# KiCad board frankenso.kicad_pcb (continued)
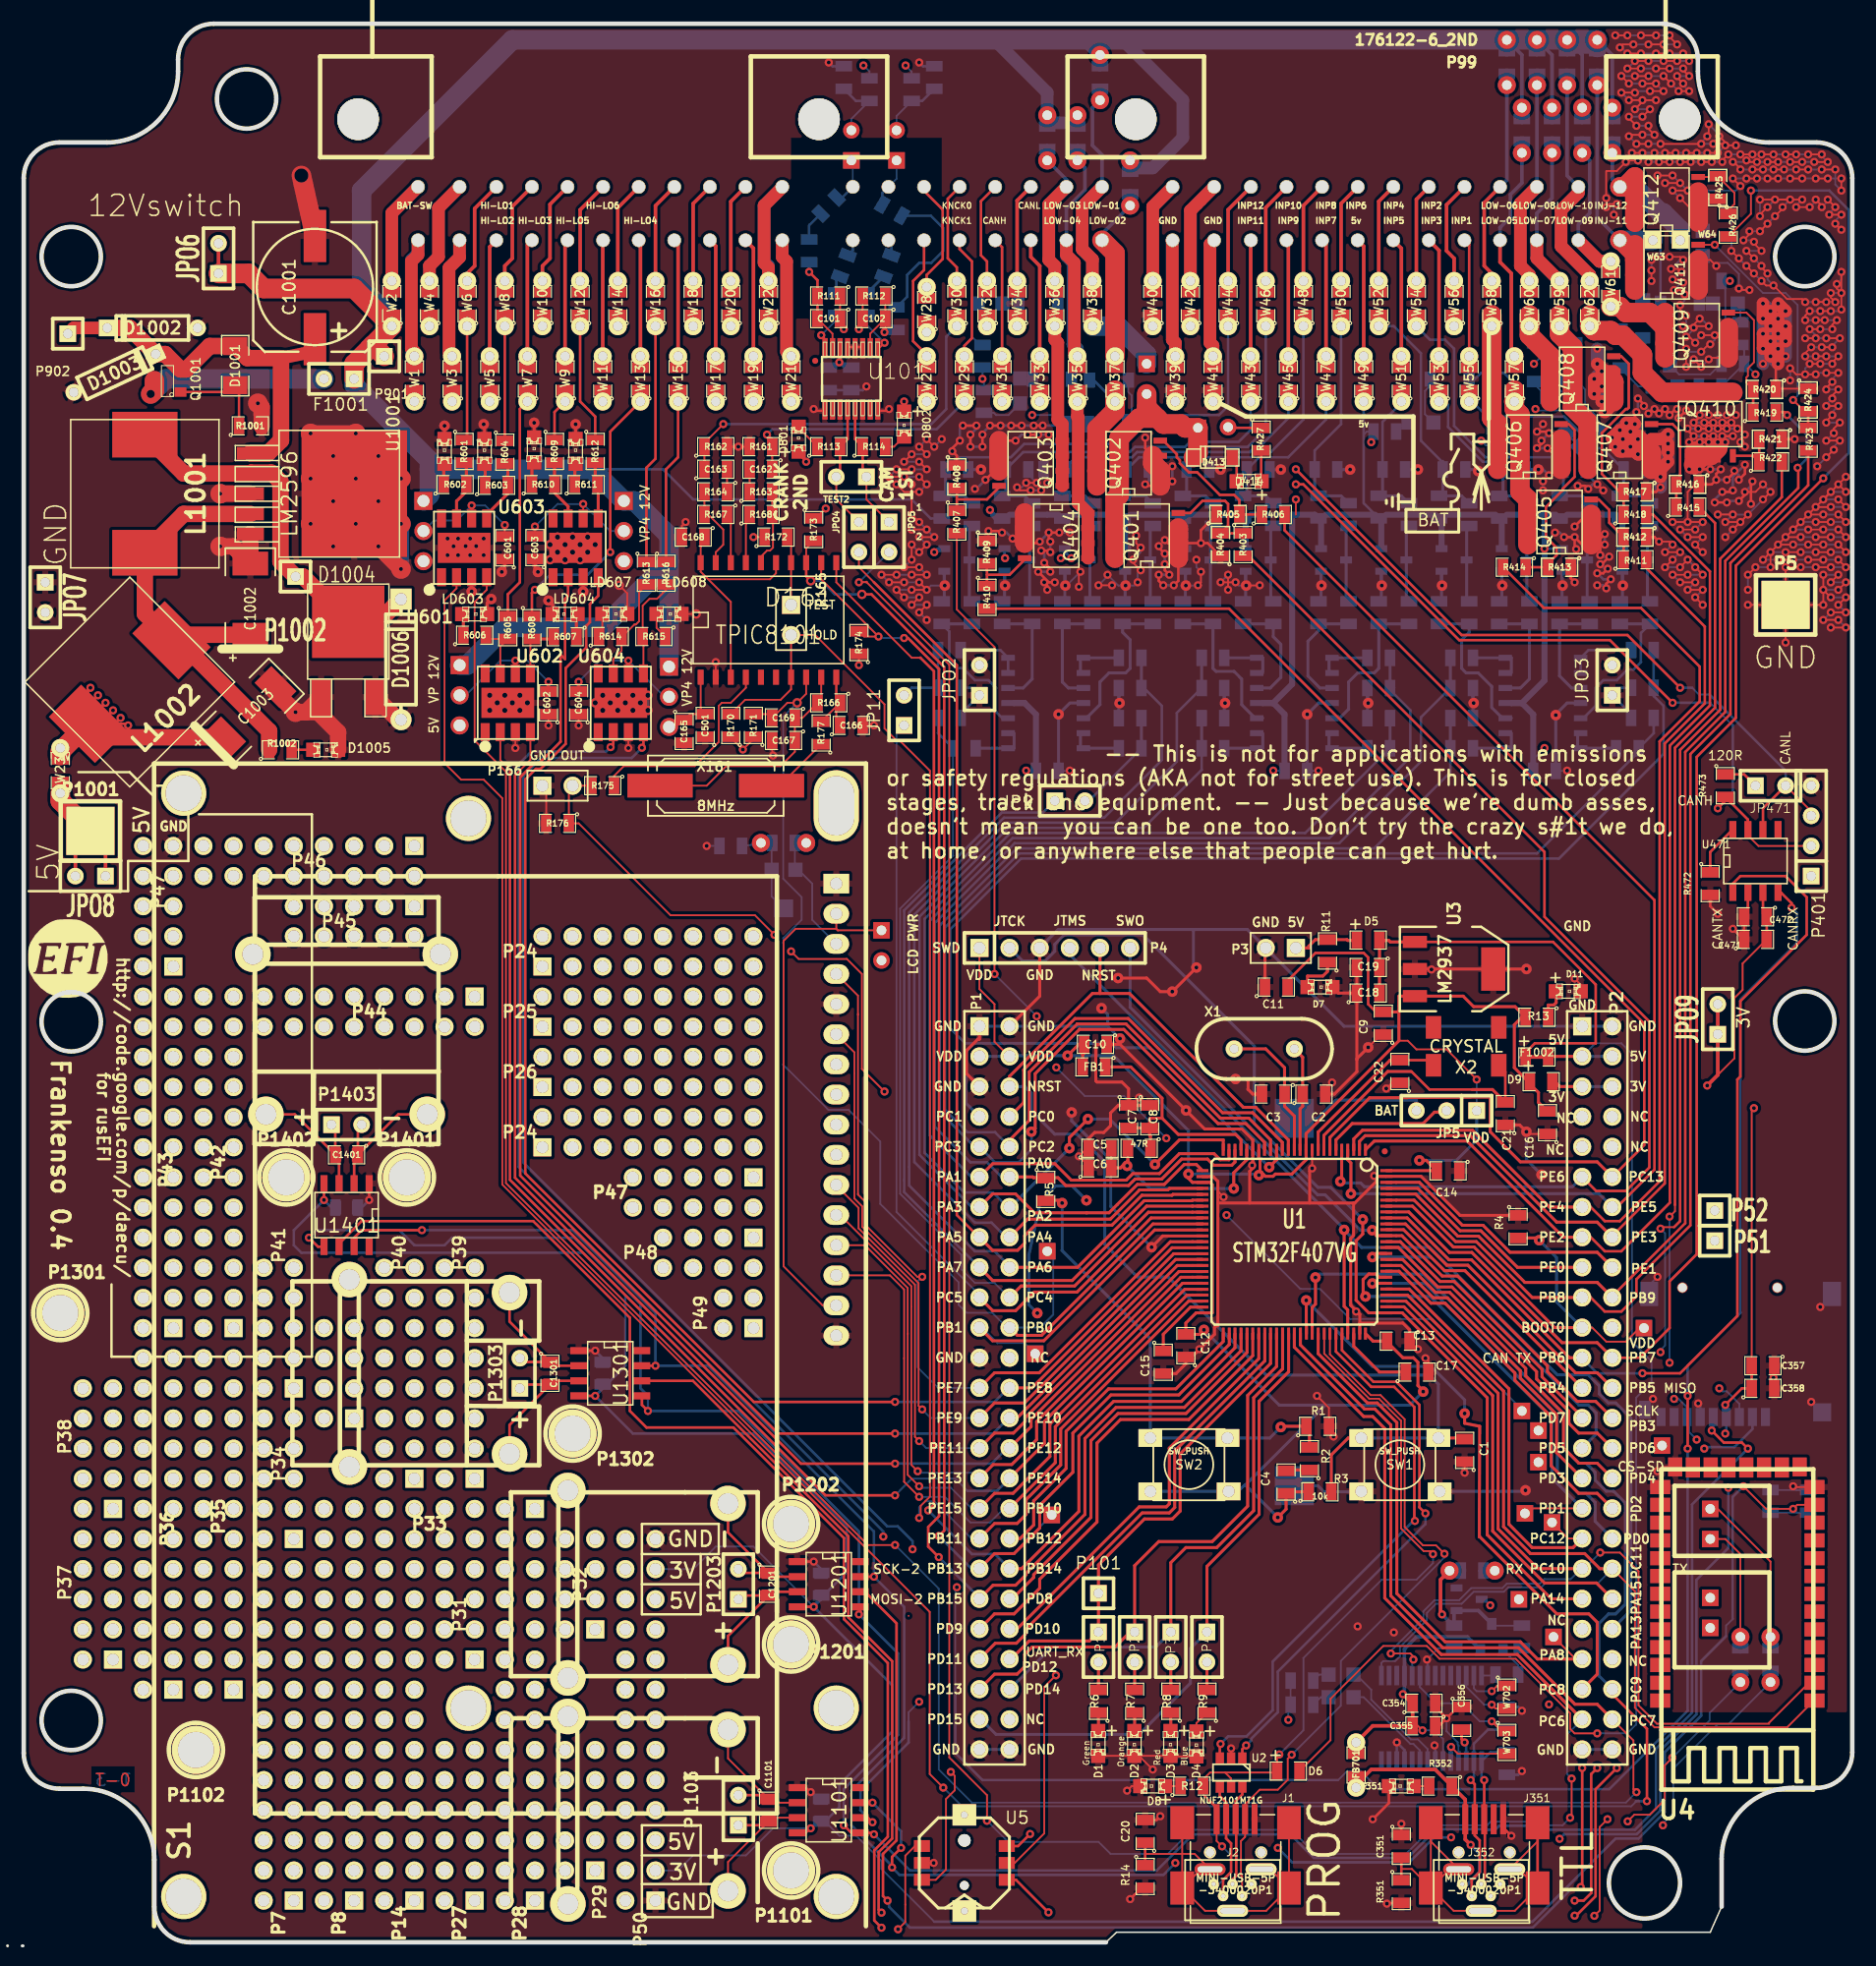
[diagram p0: board, top side]
## Routing (per net, layer and track width the routed paths; a pad name or vN(x,y) marks a point on that pad's centre or on a via; arc(x,y) is an arc through that point) (continued)
(no net): length 16
  Top w0.152: 107.22,120.35 v2(107.22,121.62)
  Bottom w0.254: v1(89.57,62.54) 88.36,63.75 86.96,63.75 85.69,62.48 84.72,57.91 84.72,53.74 v1(85.43,53.03)
/adc_amp_divider/INP1: length 21.5
  Top w0.152: W55.1 W55.1
  Bottom w0.216: R211.1 133.05,125.94 132.49,125.94 129.83,128.61 123.35,128.61 122.08,129.88 W55.1
  Bottom w0.254: R212.1 136.43,121.92 R210.1 134.84,122.24 R211.1
/adc_amp_divider/INP2: length 28.1
  Top w0.152: W54.1 W54.1
  Bottom w0.216: W54.1 118.52,135.08 119.79,135.08 120.56,134.32 120.56,127.82 123.2,125.18 128.94,125.18 129.76,124.35 R221.1
  Bottom w0.254: R222.1 131.35,121.92 R220.1 129.76,122.24 R221.1 129.76,124.84
/adc_amp_divider/INP3: length 15
  Top w0.152: W53.1 W53.1
  Bottom w0.152: W53.1 119.54,129.62 120.05,129.62
  Bottom w0.216: R231.1 124.03,124.8 122.97,124.8 120.05,127.72 120.05,129.62
  Bottom w0.254: R232.1 126.27,121.92 R230.1 124.68,122.24 R231.1
/adc_amp_divider/INP4: length 21.9
  Top w0.152: W52.1 W52.1
  Bottom w0.216: W52.1 115.48,136.23 117.76,133.94 117.76,126.58 119.6,124.73 R241.1
  Bottom w0.254: 119.6,124.84 R241.1 119.6,122.24 119.29,121.92 121.19,121.92 R242.1
/adc_amp_divider/INP5: length 12.5
  Top w0.152: W51.1 W51.1
  Bottom w0.216: W51.1 116.11,129.75 114.52,128.16 R251.1
  Bottom w0.254: 116.75,121.29 116.11,121.92 114.21,121.92 114.52,122.24 R251.1
/adc_amp_divider/INP6: length 19.7
  Top w0.152: W50.1 W50.1
  Bottom w0.216: W50.1 111.03,127.97 108.81,125.75 R261.1
  Bottom w0.254: 108.81,124.71 R261.1 108.81,122.24 109.13,121.92 111.03,121.92 111.67,121.29
/adc_amp_divider/INP7: length 16
  Top w0.152: W47.1 W47.1
  Bottom w0.216: R271.1 104.13,125.18 106.59,125.18 109.76,128.35 W47.1
  Bottom w0.254: 105.32,121.29 104.68,121.92 R270.1 103.09,122.24 R271.1
/adc_amp_divider/INP8: length 25.7
  Top w0.152: W48.1 W48.1
  Bottom w0.216: W48.1 107.86,128.35 105.11,125.61 103.95,125.61 103.52,125.18 98.84,125.18 98.01,124.35 R281.1
  Bottom w0.254: R282.1 99.6,121.92 R280.1 98.01,122.24 R281.1
/adc_amp_divider/INP9: length 23
  Top w0.152: W45.1 W45.1
  Bottom w0.216: W45.1 106.59,128.48 104.15,126.04 103.77,126.04 103.34,125.61 98.66,125.61 98.23,125.18 94.01,125.18 92.98,124.14 R291.1
  Bottom w0.254: R292.1 94.52,121.92 R290.1 92.93,122.24 R291.1
/adc_amp_divider/INP10: length 33.1
  Top w0.152: W46.1 W46.1
  Bottom w0.216: W46.1 104.68,127.56 103.16,126.04 98.48,126.04 98.05,125.61 93.83,125.61 93.4,125.18 88.68,125.18 87.85,124.35 87.85,124.14
  Bottom w0.254: R302.1 89.44,121.92 R300.1 87.85,122.24 87.85,124.14
/adc_amp_divider/INP11: length 31.1
  Top w0.152: W43.1 W43.1
  Bottom w0.216: R311.1 84.24,125.61 93.22,125.61 93.66,126.04 97.87,126.04 98.3,126.47 102.4,126.47 103.41,127.49 W43.1
  Bottom w0.254: 82.77,124.71 R311.1 82.77,122.24 R310.1 84.36,121.92 R312.1
/adc_amp_divider/INP12: length 39.3
  Top w0.152: W44.1 W44.1
  Bottom w0.216: R321.1 78.73,125.18 83.2,125.18 84.32,126.3 92.87,126.3 95.31,128.73 100.74,128.73 101.51,129.5 W44.1
  Bottom w0.254: 77.69,124.59 R321.1 77.69,122.24 R320.1 79.28,121.92 R322.1
/adc_amp_divider/OUT1: length 124
  Top w0.254: P1.10 83.09,67.62 84.74,69.28 84.74,73.36 88.79,77.41 92.91,77.41 100.85,69.47 103.26,69.47 105.09,67.64 U1.17
  Bottom w0.216: P1.10 81.86,68.28 79.54,68.28 77.66,70.16 77.66,85.56 83.88,91.78 127.54,91.78 136.11,100.35 R214.2 137.38,101.92 R215.1
/adc_amp_divider/OUT2: length 124.1
  Top w0.254: v1(104.98,65.34) 105.6,65.96 U1.16
  Bottom w0.216: R224.2 R225.1 137.38,105.05 138.21,104.22 138.21,100.16 129.4,91.35 84.06,91.35 78.09,85.38 78.09,77.05 79.36,75.77 80.1,75.77
  Bottom w0.254: v1(104.98,65.34) 94.92,75.4 92.08,75.4 91.71,75.77 80.1,75.77 79.41,75.09 79.41,70.73 P1.7
/adc_amp_divider/OUT3: length 103.5
  Top w0.254: U1.23 102.09,65.77 101.83,65.5 100.29,65.5 99.78,66.02 97.59,66.02 95.91,64.34 93.67,64.34 93.12,63.79 87.83,63.79 87.17,64.45 85.11,64.45 85.05,64.51 P1.12
  Bottom w0.216: R235.1 117.76,103.25 117.76,99.52 110.88,92.64 83.52,92.64 76.79,85.91 76.79,68.74 79.79,65.74 81.19,65.74 82.42,64.51 P1.12
  Bottom w0.254: 119.92,105.73 R235.1 R234.2
/adc_amp_divider/OUT4: length 110.9
  Top w0.254: v1(84.93,68.32) 85.25,68.58 85.25,73.22 88.98,76.95 92.72,76.95 100.66,69.01 103,69.01 104.58,67.43 U1.18
  Bottom w0.216: v1(84.93,68.32) 84.93,66.82 83.85,65.74 81.86,65.74 P1.9 80.15,67.05 77.22,69.98 77.22,85.73 83.7,92.21 113.83,92.21 120.24,98.62 R244.2
  Bottom w0.254: 120.24,100.33 R244.2 R245.1
/adc_amp_divider/OUT5: length 101.7
  Top w0.254: v1(89.7,69.39) 88.13,67.83 v1(88.13,66.94) ; U1.25 101.1,67.64 97.41,67.64 v1(95.34,65.57)
  Bottom w0.216: R254.2 108.02,93.5 83.16,93.5 75.93,86.27 75.93,66.56 79.28,63.2 81.69,63.2 82.92,61.97 P1.14
  Bottom w0.254: v1(95.34,65.57) 91.52,69.39 v1(89.7,69.39) ; R255.1 R254.2 115.48,100.65 ; v1(88.13,66.94) 83.17,61.97 P1.14
/adc_amp_divider/OUT6: length 103.4
  Top w0.254: P1.11 81.67,65.63 86.91,65.63 88.29,64.25 92.93,64.25 93.48,64.79 95.72,64.79 97.4,66.48 100.32,66.48 100.84,65.96 101.58,65.96 U1.24
  Bottom w0.216: P1.11 79.88,64.51 76.36,68.03 76.36,86.09 83.34,93.07 110.04,93.07 116.87,99.91 116.87,103.84 115.16,105.56 R265.1
  Bottom w0.254: 115.48,105.73 R265.1 R264.2
/adc_amp_divider/OUT7: length 86.9
  Top w0.254: P1.16 84.62,60.96 91.59,60.96 94.05,63.42 94.05,63.42 96.44,63.42 96.57,63.55 U1.29
  Bottom w0.216: R275.1 97.19,103.63 97.19,99.52 92.03,94.37 82.8,94.37 75.06,86.63 75.06,65.77 80.17,60.66 81.57,60.66 82.8,59.43 P1.16
  Bottom w0.254: 98.97,105.73 R275.1 R274.2
/adc_amp_divider/OUT8: length 82.1
  Top w0.254: 89.57,61.49 85.19,61.49 83.59,63.08 81.66,63.08 P1.13 ; 89.57,61.49 89.63,61.49 ; 89.57,61.49 91.47,61.49 93.86,63.88 96.13,63.88 97.81,65.56 98.83,65.56 U1.26
  Bottom w0.216: P1.13 79.9,61.97 75.5,66.38 75.5,86.45 82.98,93.94 94.39,93.94 99.28,98.83 R284.2
  Bottom w0.254: R284.2 R285.1
/adc_amp_divider/OUT9: length 71.1
  Top w0.254: U1.32 98.51,62.05 94.64,62.05 88.37,55.78 81.66,55.78 P1.17
  Bottom w0.216: P1.17 74.2,63.24 74.2,86.99 82.45,95.23 85.91,95.23 JP9.1
/adc_amp_divider/OUT10: length 89.1
  Top w0.254: U1.31 98.51,62.56 98.46,62.51 94.44,62.51 88.82,56.89 P1.18
  Bottom w0.216: 74.63,65.36 74.63,86.81 82.63,94.8 91.07,94.8 95.92,99.65 95.92,104.22 94.41,105.73 R305.1 ; 74.63,65.36 74.63,65.35 ; 74.63,65.36 74.63,63.79 80.17,58.25 81.82,58.25 83.09,56.98 P1.18
  Bottom w0.254: R304.2 R305.1
/adc_amp_divider/OUT11: length 73.9
  Top w0.254: P1.19 81.66,53.24 83.61,53.24 85.17,54.81 88.78,54.81 89.14,55.17 95.02,61.06 U1.34
  Bottom w0.152: JP11.1 73.56,101.93 73.56,61.56 80.55,54.57 P1.19
/adc_amp_divider/OUT12: length 75.3
  Top w0.254: P1.20 84.06,55.32 88.57,55.32 94.79,61.54 U1.33
  Bottom w0.152: R324.2 78.33,91.59 73.86,87.13 73.86,63.1 79.03,57.94 79.03,56.73 80.17,55.58 81.82,55.58 83.05,54.35 P1.20
  Bottom w0.216: R324.2 77.06,101.92 R325.1
/can_brd_1/CAN_RX: length 194
  Top w0.216: v2(149,87.21) 149,87.59 148.12,88.48 U471.4 ; v2(140.24,46.06) v2(140.24,41.61)
  Top w0.254: P1.36 83.98,34.03 85.12,35.18 85.12,37.21 87.86,39.94 87.86,43.08 91.43,46.65 97.1,46.65 101.1,50.64 U1.51
  PWR w0.152: P1.36 81.82,32.76 81.82,31.2 80.93,30.31 79.03,30.31 v2(78.65,29.93)
  Bottom w0.152: P15.1 84.66,34.03 P1.36 ; 110.78,13.67 111.54,14.43 112.68,14.43 114.21,12.91 ; v2(78.65,29.93) 78.52,29.8 78.52,21.42
  Bottom w0.216: v2(149,87.21) 149.45,86.76 149.45,84.22 144.69,79.46 144.69,53.04 140.24,48.6 v2(140.24,46.06) ; 78.52,21.42 78.52,15.96 80.81,13.67 110.78,13.67 ; 114.21,12.91 133.64,12.91 140.24,19.51 v2(140.24,41.61)
/can_brd_1/CAN_TX: length 82.7
  Top w0.216: v2(136.43,47.96) 139.61,47.96 144.43,52.79 144.43,72.73 144.69,72.98 144.69,79.33 150.27,84.92 150.27,88.09 148.5,89.87 144.69,89.87 144.05,89.24 U471.1
  Top w0.254: U1.92 116.6,61.06 120.13,57.53 122.02,57.53 130.28,49.27 131.35,49.27
  Bottom w0.216: v2(136.43,47.96) 132.62,47.96 131.35,49.23 131.35,49.27
/can_brd_1/CANH: length 89.2
  Top w0.152: P401.2 146.21,92.41 145.32,93.3 U471.7 ; W33.1 W33.1
  Top w0.216: v2(142.78,95.59) 143.42,96.22 R473.2 145.32,94.64 U471.7 ; v2(138.97,104.48) 133.69,109.76 120.99,109.76 107.86,122.89 v2(107.22,122.89)
  PWR w0.216: v2(107.22,122.89) 105.32,122.89 104.05,124.16 103.61,124.16 102.34,125.43 90.08,125.43 W33.1
  Bottom w0.152: 144.05,102.57 142.15,104.48
  Bottom w0.216: v2(142.78,95.59) 144.05,96.86 144.05,102.6 ; 142.15,104.48 v2(138.97,104.48)
/can_brd_1/CANL: length 93.4
  Top w0.152: JP471.2 150.66,95.33 P401.3 ; W34.1 W34.1
  Top w0.216: JP471.2 146.59,95.59 U471.6 ; v2(139.61,105.75) 135.16,110.19 121.19,110.19 v2(107.22,124.16)
  PWR w0.216: v2(107.22,124.16) 105.32,126.07 90.08,126.07 87.54,128.61 87.54,133.69 85,136.23 W34.1
  Bottom w0.152: 140.62,105.75 141.19,105.18 142.08,105.18
  Bottom w0.216: 142.08,105.18 148.5,98.76 JP471.2 ; 140.62,105.75 v2(139.61,105.75)
/cps_vrs_io_1/CAM+: length 1.4
  Bottom w0.216: P99.24 73.13,143.22 R104.1
/cps_vrs_io_1/CAM-: length 4.2
  Bottom w0.152: P99.32 73.57,148.65 73.57,150.2
  Bottom w0.216: P99.32 72.36,147.45 R106.1
/cps_vrs_io_1/CRK2+: length 1.4
  Bottom w0.216: R103.1 69.88,142.64 P99.23
/cps_vrs_io_1/CRK2-: length 4
  Bottom w0.152: 69.76,150.2 69.88,150.07 P99.31
  Bottom w0.216: P99.31 68.97,147.06 R102.1
/DD_HIP9011/CS: length 101.6
  Top w0.152: R171.2 62.77,103.53 C169.2 64.36,104.48 v3(65.18,104.48) 65.95,105.24 D161.8
  Top w0.254: P1.22 83.75,51.16 85.79,51.16 86.44,51.81 95.18,60.55 U1.35
  Bottom w0.152: P12.1 86.77,57.74 86.77,52.92 85.67,51.81 P1.22 82.87,51.81 81.62,53.07 79.46,53.07 78.8,53.73 78.8,55.63 72.19,62.23 72.19,67.5 69.53,70.16 67.83,70.16 64.02,73.97 64.02,84.64 65.57,86.19 65.57,88.09 64.02,89.64 64.02,103.31 v3(65.18,104.48)
/DD_HIP9011/INT/HLD: length 128.6
  Top w0.152: v2(75.47,35.77) 75.6,35.9 75.6,36.79 76.38,37.57 76.38,98.74 73.82,101.3 73.57,101.3 72.55,102.32 72.55,104.35 66.71,110.19 P165.2 D161.7 64.68,105.62 63.79,104.73 60.8,104.73 R170.2
  Top w0.254: P1.35 81.82,35.3 83.73,35.3 84.49,36.07 84.49,37.32 87.4,40.24 87.4,43.27 98.18,54.05 U1.48
  Bottom w0.152: v2(75.47,35.77) 75.47,36.66 75.98,37.17 76.74,37.17 79.88,34.03 P1.35
/DD_HIP9011/INTOUT: length 17.7
  Top w0.152: R175.1 49.75,98.32 50.58,99.14 56.55,99.14 58.58,101.18 58.58,104.22 58.83,104.48 59.6,104.48 60.87,105.75 D161.4
/DD_HIP9011/KNOCK0: length 32.1
  Top w0.152: v2(58.96,127.97) 57.37,126.39 R162.1 C163.1 ; W30.1 W30.1
  Bottom w0.216: W30.1 77.76,135.34 77.76,129.24 76.49,127.97 v2(58.96,127.97)
/DD_HIP9011/KNOCK1: length 21.9
  Top w0.152: W29.1 W29.1 ; R161.1 C162.1
  Top w0.216: v2(62.64,127.08) 63.09,126.64 R161.1
  Bottom w0.216: v2(62.64,127.08) 63.1,127.54 76.94,127.54 W29.1
/DD_HIP9011/OUT: length 90
  Top w0.152: v2(72.55,71.71) 70.65,73.62 70.65,81.62 69.38,82.89 65.31,82.89 v2(64.68,83.52) ; v2(63.28,84.92) 61.63,86.57 54.52,86.57 46.77,94.32 R176.1 45.94,97.18 P166.2 R175.2
  Top w0.216: P1.8 83.05,69.59
  Top w0.254: U1.15 106.08,67.43 103.58,69.93 101.04,69.93 93.1,77.87 88.6,77.87 84.28,73.54 84.28,70.78 P1.8
  PWR w0.152: v2(72.55,71.71) 73.31,70.95 81.69,70.95 83.05,69.59 P1.8 ; v2(64.68,83.52) v2(63.28,84.92)
/DD_HIP9011/TEST: length 5.8
  Top w0.152: R172.2 64.68,118.13 D161.14 P165.1
/HD44780_VCC: length 43.4
  Top w0.152: 68.61,85.3 68.49,85.43 ; 68.61,85.3 68.49,85.43 ; 68.61,85.3 JPO1.1 ; 68.49,85.43 65.06,85.43 64.04,84.41 64.04,56.98 67.34,53.68 S1.A ; 68.49,85.43 S1.2
/HD44780_VLCD: length 10.1
  Bottom w0.152: S1.3 66.45,86.19 66.45,89.24 65.29,90.4 RV101.3 64.99,90.45 W101.1
/hi-lo/H_IN1: length 234.5
  Top w0.152: v2(73.44,33.48) 71.15,33.48 40.64,64 40.64,98.67 38.01,101.3 38.01,112.99 39.02,114 U601.4 ; v2(135.92,12.66) 135.67,12.91 135.67,17.02 P2.48
  Top w0.254: P2.48 132.62,20.06 130.74,20.06 125.98,24.83 119.6,24.83 115.22,29.21 115.22,43.61 113.88,44.96 113,44.96 107.6,50.35 U1.64
  Bottom w0.152: v2(73.44,33.48) 77.12,29.8 77.12,14.56 79.92,11.77 135.03,11.77 v2(135.92,12.66)
/hi-lo/H_IN2: length 116.8
  Top w0.152: 40.98,98.56 40.98,98.84 40.17,99.65 U602.2
  Top w0.216: 40.98,98.56 40.98,64.27 67.57,37.68 v2(73.44,37.68)
  Top w0.254: U1.45 97.67,55.55 86.03,43.91 86.03,42.05 P1.32
  Bottom w0.152: 79.54,38.06 78.52,39.07 74.84,39.07 v2(73.44,37.68)
  Bottom w0.216: P1.32 82.03,38.06 79.54,38.06
/hi-lo/H_IN3: length 251
  Top w0.152: v2(77.5,13.04) 76.36,14.18 76.36,27.85 40.34,63.87 40.34,96.43 38.77,98 36.86,98 35.47,99.4 35.47,113.11 36.48,114.13 U601.2
  Top w0.216: v2(136.81,11.89) 136.81,17.99 133.47,21.33 P2.46
  Top w0.254: U1.66 108.59,53.51 108.87,53.79 v1(108.87,56.04)
  Bottom w0.152: 135.92,11.89 135.49,11.46 79.08,11.46 v2(77.5,13.04)
  Bottom w0.216: 135.87,11.89 v2(136.81,11.89)
  Bottom w0.254: P2.46 132.75,22.47 132.75,26.86 133.58,27.68 134.17,27.68 135,28.51 135,37.03 134,38.02 133.38,38.02 132.44,38.96 132.44,39.62 131.69,40.38 131.06,40.38 129.83,41.62 129.83,44.44 117.95,56.32 109.15,56.32 v1(108.87,56.04)
/hi-lo/H_IN4: length 113.1
  Top w0.152: 41.41,98.38 42.71,99.68 U602.4
  Top w0.216: 41.41,98.38 41.41,64.45 65.52,40.34 v2(73.44,40.34)
  Top w0.254: U1.43 97.36,56.54 84.9,44.08 84.9,43.47 P1.30
  Bottom w0.216: v2(73.44,40.34) 81.57,40.34 82.88,41.65 P1.30
/hi-lo/H_IN5: length 123.5
  Top w0.216: v2(73.44,45.55) 61.53,45.55 42.27,64.81 42.27,98.02 43.17,98.92 43.57,98.92 45.68,101.02 45.68,107.4 47.4,109.13 47.4,110.95 47.72,111.27 47.72,112.8 48.42,113.49 U603.4
  Top w0.254: U1.39 96.78,58.54 84.97,46.73 P1.26
  Bottom w0.216: v2(73.44,45.55) 81.82,45.55 83,46.73 P1.26
/hi-lo/H_IN6: length 125.7
  Top w0.216: v2(73.44,42.88) 63.59,42.88 41.84,64.63 41.84,98.2 42.99,99.35 43.39,99.35 45.25,101.2 45.25,108.54 45.63,108.16 45.63,113.24 45.88,113.49 U603.2
  Top w0.254: U1.41 97.09,57.55 83.73,44.19 P1.28
  Bottom w0.216: v2(73.44,42.88) 81.69,42.88 83,44.19 P1.28
/hi-lo/H_IN7: length 138
  Top w0.216: v2(52.1,100.69) 52.23,100.82 U604.4
  Top w0.254: P1.40 83.32,28.95 85.12,30.76 85.12,30.99 89.95,35.81 89.95,42.29 92.24,44.57 97.96,44.57 103.11,49.72 U1.55
  PWR w0.216: v2(74.91,33.13) 74.91,30.92 78.11,27.72 81.67,27.72 82.9,28.95 P1.40
  Bottom w0.216: v2(52.1,100.69) 51.24,99.83 43.62,99.83 42.12,98.33 42.12,65.72 72.78,35.06 73.67,35.06 74.91,33.81 v2(74.91,33.13)
/hi-lo/H_IN8: length 138.8
  Top w0.216: v2(49.46,100.74) 49.69,100.97 U604.2
  Top w0.254: P1.41 81.82,27.68 83.47,27.68 85.63,29.84 85.63,30.6 90.46,35.43 90.46,42.09 92.44,44.07 98.2,44.07 103.59,49.45 U1.56
  PWR w0.216: v2(72.45,34.2) 72.45,32.29 78.33,26.41 P1.41
  Bottom w0.216: v2(49.46,100.74) 49.08,100.36 42.78,100.36 41.71,99.3 41.71,65.36 72.45,34.63 v2(72.45,34.2)
/hi-lo/HL1: length 9.7
  Top w0.216: R601.1 37.37,126.88 W6.1
/hi-lo/HL2: length 9.7
  Top w0.216: W8.1 R604.1
/hi-lo/HL3: length 19.7
  Top w0.152: W7.1 W7.1
  Top w0.216: W7.1 41.82,129.24 41.82,114.64 40.8,113.62 R605.1
/hi-lo/HL4: length 24.7
  Top w0.152: W13.1 W13.1
  Top w0.216: v2(43.09,114) 42.83,113.75 R608.1 ; v2(49.44,117.18) 49.44,127.34 W13.1
  Bottom w0.216: v2(43.09,114) 44.36,115.27 47.53,115.27 v2(49.44,117.18)
/hi-lo/HL5: length 4.6
  Top w0.152: W9.1 W9.1
  Top w0.216: W9.1 44.74,128.99 R609.1
/hi-lo/HL6: length 11.1
  Top w0.152: W12.1 W12.1
  Top w0.216: R612.1 48.17,128.61 46.9,129.88 W12.1
/hi-lo/HL7: length 21.1
  Top w0.216: R613.1 52.48,124.29 53.25,125.05 W16.1 W16.1
/hi-lo/HL8: length 14.9
  Top w0.216: R616.1 54.14,124.16 55.15,125.18 W15.1 W15.1
/hi-lo/VP: length 10.5
  Top w0.152: C601.2 v2(40.55,119.46) ; U601.6 v2(37.75,121.11)
  Bottom w0.152: P604.2 34.58,119.84 36.48,119.84 v2(37.75,121.11) 38.9,121.11 v2(40.55,119.46)
/hi-lo/VP2: length 11.3
  Top w0.152: v2(44.23,106.26) C602.2 ; 41.44,106.95 v2(41.44,108.03)
  Bottom w0.152: P605.2 37.24,105.11 40.17,108.03 v2(41.44,108.03) 42.45,108.03 v2(44.23,106.26)
/hi-lo/VP3: length 11.3
  Top w0.152: C603.2 v2(43.09,119.34) ; U603.6 v2(47.15,121.24)
  Bottom w0.152: P606.2 49.44,118.96 v2(47.15,121.24) 44.99,121.24 v2(43.09,119.34)
/hi-lo/VP4: length 11.5
  Top w0.152: v2(50.96,108.03) U604.6 ; C604.2 v2(46.77,106.26)
  Bottom w0.152: v2(46.77,106.26) 48.55,108.03 v2(50.96,108.03) 53.88,105.11 54.39,105.11
/inj_12ch/INJ-01: length 23
  Top w1.651: 95.54,128.48 96.05,127.97 97.57,127.97 97.89,127.66 R401.1 98.97,125.53 D413.2 ; 95.54,128.48 94.01,128.48 92.32,126.79 92.32,121.99 91.98,121.65 Q401.2 Q401.2 Q401.2 Q401.2 ; 95.54,128.48 94.65,129.37 R402.2
/inj_12ch/INJ-01_2: length 6.3
  Bottom w1.651: R402.1 94.65,133.81 92.24,136.23 W38.1
/inj_12ch/INJ-01_5V: length 96.6
  Top w0.216: 131.35,64.51 132.53,63.33 135.03,63.33 137.02,65.31 137.02,77.6 128.18,86.44 128.18,91.9 103.22,116.86 R403.2
  Top w0.254: v1(110.97,64.13) 111.08,64.25 U1.5
  Bottom w0.254: v1(110.97,64.13) 111.09,64.01 112.68,64.01 113,63.69 130.53,63.69 131.35,64.51
/inj_12ch/INJ-02: length 11.6
  Top w1.651: Q402.2 Q402.2 Q402.2 Q402.2 90.46,127.56 91.98,129.09 W37.1 W37.1
  Bottom w0.216: W37.1 90.18,131.68 D416.2
/inj_12ch/INJ-02_5V: length 99.3
  Top w0.216: R406.2 106.27,119.02 137.45,87.84 137.45,65.13 134.29,61.97 P2.14
  Top w0.254: U1.4 111.59,65.96 111.86,65.69 v1(111.86,63.11)
  Bottom w0.254: v1(111.86,63.11) 132.76,63.11 P2.14
/inj_12ch/INJ-03: length 16.7
  Top w1.067: Q403.2 Q403.2 Q403.2 Q403.2 87.54,127.97 87.16,128.35 87.16,134.83 86.9,135.08 W36.1 W36.1
  Bottom w0.216: W36.1 87.16,136.48 D418.2
/inj_12ch/INJ-03_5V: length 130.4
  Top w0.152: R407.2 78.65,112.35 81.82,109.18 v2(81.82,81.62)
  Top w0.254: U1.88 116.02,59.05 119.37,55.7 120.56,55.7 127.97,48.29 127.97,47.67 131.35,44.28 131.35,44.19
  PWR w0.152: 131.35,44.19 130.76,44.79 P23.1 ; v2(96.3,67.77) 96.81,67.27 96.81,64.6 98.46,62.95 100.11,62.95 101.38,61.68 v2(101.38,61.3) ; v2(85.38,78.06) 87.03,76.41 v2(87.03,73.74)
  Bottom w0.152: v2(96.3,67.77) 92.74,71.33 89.44,71.33 v2(87.03,73.74) ; v2(85.38,78.06) v2(81.82,81.62) ; P23.1 126.27,44.91 118.65,52.53 111.79,52.53 109.25,55.07 107.6,55.07 101.25,61.42 v2(101.38,61.3)
/inj_12ch/INJ-04: length 16.6
  Top w1.067: Q404.2 Q404.2 Q404.2 Q404.2 88.88,121.29 88.88,128.53 88.81,128.61 W35.1 W35.1
  Bottom w0.216: W35.1 88.3,130.39 D420.2
/inj_12ch/INJ-04_5V: length 114.6
  Top w0.216: P2.12 136.58,67.21 136.58,77.43 101.59,112.42 R410.2
  Top w0.254: P2.12 132.62,65.78 126.14,65.78 123.6,68.32 123.6,71.24 113.43,71.18 110.09,67.84 U1.7
/inj_12ch/INJ-05: length 19.5
  Top w1.651: W57.1 125.64,129.92 125.6,129.88 W57.1 125.64,129.24 126.11,128.77 126.11,122.3 Q405.2 Q405.2 Q405.2 Q405.2
  Bottom w0.216: W57.1 125.64,131.4 124.75,132.29 122.84,132.29 122.31,131.76 D422.2
/inj_12ch/INJ-05_5V: length 88.2
  Top w0.216: R411.2 136.75,115.84 141.69,110.9 141.69,104.43 138.31,101.05 138.31,63.96 133.89,59.54 P2.16
  Top w0.254: P2.16 132.62,60.7 129.2,60.7 121.91,67.99 113.06,67.99 112.58,67.51 U1.2
/inj_12ch/INJ-06: length 15.1
  Top w1.651: Q406.2 Q406.2 Q406.2 Q406.2 123.73,128.48 W58.1 W58.1
  Bottom w0.216: W58.1 123.76,136.2 D424.2
/inj_12ch/INJ-06_5V: length 96.4
  Top w0.216: R414.2 128.11,112.48 136.3,112.48 141.26,107.53 141.26,104.6 137.88,101.23 137.88,64.14 134.53,60.79 133.26,60.79 132.07,61.97 131.35,61.97
  Top w0.254: 131.35,61.97 128.58,61.97 122.1,68.45 112.83,68.45 112.1,67.71 U1.3
/inj_12ch/INJ-07: length 16
  Top w1.651: Q407.2 Q407.2 Q407.2 Q407.2 131.86,128.1 130.55,129.41 130.55,134.46 129.45,135.57 W59.1 W59.1
  Bottom w0.216: D426.2 129.45,136.13 W59.1
/inj_12ch/INJ-07_5V: length 124.3
  Top w0.152: v2(138.72,61.17) 139.17,61.63 139.17,62.19
  Top w0.216: 139.17,62.16 139.17,100.69 142.55,104.07 142.55,119.63 R415.2
  Top w0.254: U1.84 116.08,57.05 118.8,54.33 119.99,54.33 126.14,48.18 126.14,47.56 129.2,44.5 129.2,41.27 131.35,39.11
  PWR w0.152: P20.1 129.02,39.11 131.35,39.11 132.49,40.26 132.49,44.79 131.86,45.42 130.72,45.42 130.21,45.93 130.21,47.45 130.72,47.96 135.03,47.96 135.92,48.85 v2(138.72,48.85)
  Bottom w0.152: v2(138.72,61.17) v2(138.72,48.85)
/inj_12ch/INJ-08: length 9.6
  Top w1.651: W60.1 W60.1 126.91,135.47 Q408.2 Q408.2 Q408.2 Q408.2
  Bottom w0.216: D428.2 126.91,135.24 W60.1
/inj_12ch/INJ-08_5V: length 93.5
  Top w0.216: 131.35,59.43 132.07,59.43 133.26,58.25 134.65,58.25 138.74,62.34 138.74,100.87 142.12,104.25 142.12,115.55 137.32,120.35 R418.2
  Top w0.254: U1.1 113.83,67.54 121.66,67.54 129.76,59.43 131.35,59.43
/inj_12ch/INJ-09: length 13
  Top w0.216: W61.1 W61.1
  Top w1.651: Q409.2 Q409.2 ; Q409.2 Q409.2 ; Q409.2 137.07,137.37 135.03,137.37 134.53,137.88 W61.1
  Bottom w0.216: 136.46,138.51 135.82,137.88 W61.1
/inj_12ch/INJ-09_5V: length 105.6
  Top w0.216: v2(148.62,128.73) 148.37,128.99 R419.2 ; v2(149.51,124.29) 149.56,124.24 149.56,122.59 143.42,116.44 143.42,103.71 140.04,100.33 140.04,60.61 133.89,54.46 P2.20
  Top w0.254: P2.20 132.62,55.62 126.52,55.62 122.62,59.52 120.87,59.52 117.33,63.07 U1.96
  Bottom w0.216: v2(148.62,128.73) 150.27,127.08 150.27,125.05 v2(149.51,124.29)
/inj_12ch/INJ-10: length 18.9
  Top w1.651: W62.1 W62.1 132.37,135.85 133.76,135.85 134.15,135.47 134.78,135.47 136.43,133.81 136.43,132.29 138.08,130.64 Q410.2 Q410.2 Q410.2 Q410.2
  Bottom w0.216: W62.1 132.24,135.97 D432.2
/inj_12ch/INJ-10_5V: length 132.6
  Top w0.152: v2(137.96,60.15) 138.08,60.28 139.1,60.28
  Top w0.216: R422.2 148.18,121.81 142.98,116.62 142.98,103.89 139.61,100.51 139.61,60.79 139.1,60.28
  Top w0.254: v1(113.67,57.76) 113.97,58.06 U1.86
  PWR w0.152: v2(137.96,49.74) 137.37,49.16 135.8,49.16 134.91,48.27 127.85,48.27 125.13,45.55 125.13,43.9 125.89,43.14 P21.1 129.15,41.65 131.35,41.65
  Bottom w0.152: v2(137.96,60.15) 138.34,59.77 138.34,50.3 137.96,49.92 v2(137.96,49.74)
  Bottom w0.254: 131.35,41.65 132.53,42.83 132.53,44.62 131.86,45.29 131.07,45.29 118.6,57.76 v1(113.67,57.76)
/inj_12ch/INJ-11: length 28.3
  Top w1.651: Q411.2 Q411.2 Q411.2 ; Q411.2 Q411.2 ; Q411.2 135.8,142.32 134.65,143.47 P99.51
  Bottom w0.216: W63.1 137.96,142.83 D434.2
  Bottom w0.305: P99.51 132.62,145.38 D22.1
  Bottom w1.651: W63.1 P99.51
/inj_12ch/INJ-11_5V: length 102.8
  Top w0.216: R423.2 150.4,122.81 143.85,116.26 143.85,103.53 140.47,100.15 140.47,60.43 135.92,55.89 135.92,54.44 134.65,53.17 133.26,53.17 132.07,54.35 131.35,54.35
  Top w0.254: 131.35,54.35 127.14,54.35 122.43,59.06 120.68,59.06 117.19,62.56 U1.95
/inj_12ch/INJ-12: length 16
  Top w1.651: P99.64 134.96,147.97 Q412.2 Q412.2 Q412.2 Q412.2
  Bottom w0.305: P99.64 133.89,148.61 D23.1
  Bottom w1.651: W64.1 139.61,144.36 138.18,145.78 D436.2 135.77,147.97 P99.64
/inj_12ch/INJ-12_5V: length 144.1
  Top w0.152: R426.2 145.58,145.69 v2(145.58,147.66)
  Top w0.216: P2.24 136.22,49.27 138.72,51.77 138.72,55.71 141,58 141,99.91 144.31,103.21 144.31,116.03 v2(151.67,123.4)
  Top w0.254: U1.93 116.74,61.57 120.16,58.15 122.05,58.15 129.66,50.54 132.62,50.54 P2.24
  Bottom w0.216: v2(151.67,123.4) 153.83,125.56 153.83,146.01 152.18,147.66 v2(145.58,147.66)
/Misc_Vias/CAM: length 10.6
  Top w0.152: JPO5.1 71.03,121.62 TEST2.1
  Top w0.216: TEST2.1 70.71,123.85 R114.1 70.07,126.7 U101.5
/Misc_Vias/CRANK: length 10.6
  Top w0.152: JPO4.1 68.49,121.62 TEST2.2
  Top w0.216: TEST2.2 68.8,123.85 R113.2 69.44,126.7 U101.4
/mmc_usb_1/CB2: length 4.1
  Top w0.152: v2(123.73,21.17) 124.18,21.61 W702.1
  Bottom w0.152: v2(123.73,21.17) 122.46,21.17 122.23,21.4 U351.13
/mmc_usb_1/CB4: length 5.1
  Top w0.152: v2(123.73,20.02) 124.05,19.71 W702.2
  Bottom w0.152: v2(123.73,20.02) 123.1,20.02 121.58,21.54 U351.12
/mmc_usb_1/CS_SD_MODULE: length 43.3
  Top w0.254: P2.32 132.62,40.38 131.08,40.38 129.77,41.68 129.77,44.57 126.6,47.75 126.6,48.37 120.18,54.78 118.99,54.78 116.22,57.55 U1.85
  PWR w0.216: v2(141.64,41.61) 140.62,40.6 136.56,40.6 135.07,39.11 P2.32
  Bottom w0.216: v2(141.64,41.61) 141.77,41.74 144.18,41.74 145.7,43.26 P352.2
/mmc_usb_1/D+: length 13.1
  Top w0.216: v2(123.1,13.67) J351.3 123.15,10.32 123.15,5.47 122.84,5.16 J352.3
  Bottom w0.216: v2(123.1,13.67) 122.88,13.89 U351.15 123.62,16.02 C353.2
/mmc_usb_1/D-: length 16.8
  Top w0.216: v2(121.95,13.67) 122.3,13.33 J351.2 122.3,9.01 122.72,8.59 122.72,5.93 122.04,5.25 J352.2
  Bottom w0.216: v2(121.95,13.67) 122.23,13.94 U351.16 122.23,16.74 123.41,17.93 C352.2
/mmc_usb_1/FTVCC: length 25.1
  Top w0.152: v2(117.89,17.86) 117.51,18.24 C355.2
  Top w0.305: v2(116.24,20.91) 117,20.15 C354.1 C355.2 113.7,18.24 FB701.2 FB701.2
  Bottom w0.152: v2(117.89,17.86) 118.91,17.86 119.63,17.14 U351.20
  Bottom w0.305: v2(116.24,20.91) 116.38,21.05 U351.4 116.38,24.73 117.38,25.74 121.68,25.74 Q701.2
/mmc_usb_1/PWREN#: length 1.2
  Bottom w0.152: R703.2 123.96,22.48 U351.14
/mmc_usb_1/RESET: length 6.1
  Top w0.152: v2(120.3,16.47) 120.87,15.9 W703.2
  Bottom w0.152: v2(120.3,16.47) 120.28,16.44 U351.19
/mmc_usb_1/RI: length 9.8
  Top w0.152: v2(123.73,18.63) 124.56,17.8 W703.1
  Bottom w0.152: v2(123.73,18.63) 122.72,18.63 121.19,20.15 119.03,20.15 117.68,21.51 U351.6
/mmc_usb_1/shield: length 42.5
  Top w0.152: J351.6 120.17,6.15 J352.6 118.6,8.5 J351.6 J351.6 ; J351.6 116.99,6.18 116.11,6.18 ; J351.6 120.52,2.65 J352.6 125.67,2.65 J351.6 126.02,6.15 J352.6 127.6,8.51 J351.6